# Altium PCB PCB1.PcbDoc (part 7 of 8)
Units mm, origin at the board's own origin, x right, y up, seen from the top; angles counter-clockwise.
Board outline 215 x 62.44 mm, 6 copper layers (Top Layer, Layer 1, Layer 2, Layer 3, Layer 4, Bottom Layer), stack 1.538 mm thick; 444 components, 475 nets, 1876 pads, 1257 vias.
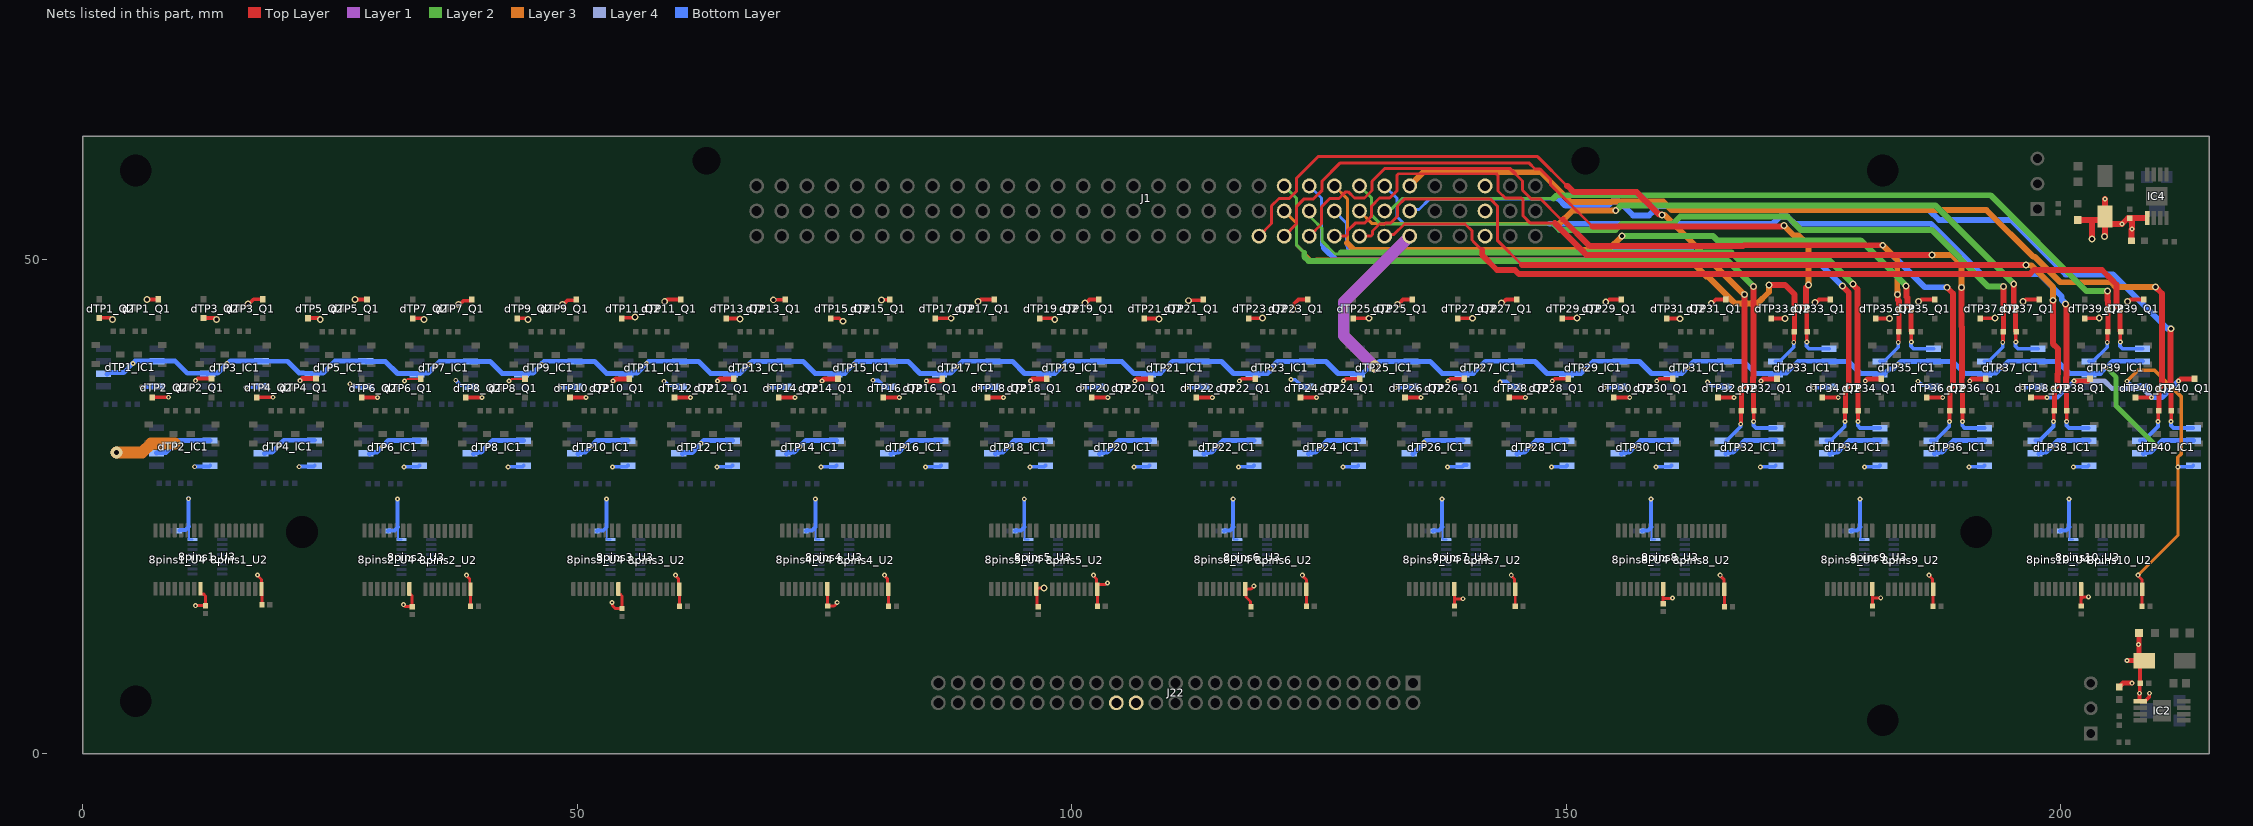
[diagram p11: the nets of this part, all layers, seen from the top]

## Via types
v1: diameter 0.5, hole 0.22, Top Layer to Bottom Layer, 884 vias
v2: diameter 0.5/0.5/0.5/0.5/0.5/0.5 (per signal layer), hole 0.22, Top Layer to Bottom Layer, tented both sides, 221 vias
v3: diameter 0.7, hole 0.4, Top Layer to Bottom Layer, 143 vias
v4: diameter 1.2, hole 0.5, Top Layer to Bottom Layer, 9 vias

## Nets (pads, with @x,y where several pads share a name; then routed paths per layer and width w, separated by ;. In a path a pad name is that pad's centre, name@x,y a point inside that pad or via, vN(x,y) a via of type N, cw(c..) or ccw(c..) an arc to the next point about the centre after c; other vN are vias at no path point) (continued)
TP_63_41: dTP32_IC1.3 dTP32_Q2.3 dTP32_R7.1 J1.C21 | length 75.3
  Top Layer w0.3: J1.C21@118.93,52.365 120.2,53.635 120.2,55.431 120.944,56.175 121.996,56.175 122.74,56.919 122.74,58.24 124.906,60.406 147.109,60.406 150.07,57.445
  Top Layer w0.38: v1(167.641,33.375) 167.66,33.393 167.66,34.672 dTP32_R7.1@167.679,34.69
  Top Layer w0.5: dTP32_R7.1@167.715,34.949 dTP32_Q2.3@167.715,37.015
  Top Layer w0.6: 150.07,57.445 150.126,57.445 150.75,56.82 157.124,56.82 159.406,54.539 159.67,54.539 v3(159.689,54.52) ; dTP32_Q2.3@167.717,36.99 168.031,37.305 168.031,38.233 168,38.264 v3(168,46.445)
  Layer 3 w0.6: v3(159.689,54.52) 159.708,54.501 159.944,54.501 v3(168,46.445)
  Bottom Layer w0.38: dTP32_IC1.3@166.202,31.7 166.228,31.7 167.618,33.09 167.618,33.352 v1(167.641,33.375)
TP_64_41: dTP32_IC1.5 dTP32_Q1.3 dTP32_R8.1 J1.A22 | length 71.2
  Top Layer w0.38: dTP32_R8.1@168.939,34.753 168.95,34.742 v1(168.95,33.638)
  Top Layer w0.5: dTP32_R8.1@168.939,34.753 dTP32_Q1.3@168.939,37.015
  Top Layer w0.6: 168.912,46.356 v3(168.912,47.288) ; 168.926,46.399 168.926,38.097 168.885,38.056 168.885,37.237 168.939,37.183 dTP32_Q1.3@168.939,37.015
  Layer 2 w0.3: J1.A22@121.47,57.445 122.7,56.215 122.7,51.485 123.5,50.685
  Layer 2 w0.6: 123.5,50.685 123.5,50.293 123.932,49.861 132.212,49.861 132.242,49.831 166.369,49.831 v3(168.912,47.288)
  Bottom Layer w0.38: v1(168.95,33.638) 168.927,33.615 168.927,33.215 169.172,32.97 dTP32_IC1.5@171.189,32.97
TP_65_41: dTP33_IC1.3 dTP33_Q2.3 dTP33_R7.1 J1.B22 | length 66.3
  Top Layer w0.38: v1(173.001,41.627) 173.024,41.65 173.024,42.7 dTP33_R7.1@173.051,42.727
  Top Layer w0.5: dTP33_R7.1@173.051,42.727 173.076,42.752 173.076,42.949 173.089,42.962 dTP33_Q2.3@173.089,45.027
  Top Layer w0.6: v3(170.5,47.445) 172.115,47.445 173.077,46.483 ; dTP33_Q2.3@173.089,45.027 173.089,46.436
  Layer 3 w0.3: J1.B22@121.47,54.905 122.74,53.635 122.74,51.445 124.39,49.795 124.638,49.795 124.74,49.897
  Layer 3 w0.6: 124.74,49.897 162.548,49.897 164.152,48.293 164.309,48.293 167.069,45.533 169.317,45.533 170.5,46.716 v3(170.5,47.445)
  Bottom Layer w0.38: dTP33_IC1.3@171.139,39.712 171.577,39.712 173.001,41.137 v1(173.001,41.627)
TP_66_41: dTP33_IC1.5 dTP33_Q1.3 dTP33_R8.1 J1.C22 | length 74.3
  Top Layer w0.3: J1.C22@121.47,52.365 122.7,53.595 122.7,55.334 123.501,56.135 124.439,56.135 125.32,57.015 125.32,57.954 127.149,59.783 146.214,59.783 146.838,59.16 147.361,59.16 148.384,58.137 148.384,57.614 152.645,53.352
  Top Layer w0.38: dTP33_R8.1@174.313,42.765 174.324,42.755 v1(174.324,41.65)
  Top Layer w0.5: dTP33_R8.1@174.313,42.765 dTP33_Q1.3@174.313,45.027
  Top Layer w0.6: 152.645,53.352 171.88,53.352 171.973,53.445 v3(172,53.445) ; dTP33_Q1.3@174.315,45.003 174.313,45.003 174.303,45.013 174.303,45.016 174.259,45.059 174.259,47.177 174.5,47.418 v3(174.5,47.445)
  Layer 3 w0.6: v3(172,53.445) 173.01,52.435 173.51,52.435 174.5,51.445 v3(174.5,47.445)
  Bottom Layer w0.38: v1(174.324,41.65) 174.301,41.627 174.301,41.227 174.546,40.982 dTP33_IC1.5@176.563,40.982
TP_67_41: dTP34_IC1.3 dTP34_Q2.3 dTP34_R7.1 J1.A23 | length 78
  Top Layer w0.38: v1(178.168,33.615) 178.191,33.638 178.191,34.688 dTP34_R7.1@178.218,34.715
  Top Layer w0.5: dTP34_R7.1@178.218,34.715 178.243,34.74 178.243,34.936 178.256,34.949 dTP34_Q2.3@178.256,37.015
  Top Layer w0.6: v3(177.929,47.313) 177.929,47.299 178.564,46.664 178.564,37.297 dTP34_Q2.3@178.258,36.99
  Bottom Layer w0.3: J1.A23@124.01,57.445 125.24,56.215 125.24,51.445 125.49,51.195
  Bottom Layer w0.38: dTP34_IC1.3@176.306,31.7 176.743,31.7 178.168,33.124 v1(178.168,33.615)
  Bottom Layer w0.6: 125.49,51.195 126.788,49.897 162.405,49.897 162.857,49.445 175.797,49.445 v3(177.929,47.313)
TP_68_41: dTP34_IC1.5 dTP34_Q1.3 dTP34_R8.1 J1.B23 | length 76.1
  Top Layer w0.38: dTP34_R8.1@179.48,34.753 179.491,34.742 v1(179.491,33.638)
  Top Layer w0.5: dTP34_R8.1@179.48,34.753 dTP34_Q1.3@179.48,37.015
  Top Layer w0.6: v3(178.979,47.541) 178.998,47.522 178.998,47.447 179.426,47.019 179.426,37.237 179.48,37.183 dTP34_Q1.3@179.48,37.015
  Layer 2 w0.3: J1.B23@124.01,54.905 124.24,54.675 124.24,54.205 125.32,53.125 125.32,51.855 126.611,50.565 127.081,50.565 127.231,50.715
  Layer 2 w0.6: 127.231,50.715 166.692,50.715 167.462,49.945 176.575,49.945 v3(178.979,47.541)
  Bottom Layer w0.38: v1(179.491,33.638) 179.468,33.615 179.468,33.215 179.713,32.97 dTP34_IC1.5@181.73,32.97
TP_69_41: dTP35_IC1.3 dTP35_Q2.3 dTP35_R7.1 J1.C23 | length 80.3
  Top Layer w0.3: J1.C23@124.01,52.365 125.24,53.595 125.24,55.334 126.081,56.175 127.019,56.175 127.696,56.851 127.944,56.851 128.581,56.215 129.599,56.215 130.36,56.975 130.36,57.914 131.674,59.229 144.285,59.229 145.56,57.954 145.56,57.015 146.441,56.135 147.379,56.135 149.469,54.045 149.669,54.045
  Top Layer w0.38: v1(183.568,41.627) 183.591,41.65 183.591,42.7 dTP35_R7.1@183.618,42.727
  Top Layer w0.5: dTP35_R7.1@183.618,42.727 183.643,42.752 183.643,42.949 183.656,42.962 183.656,45.005 dTP35_Q2.3@183.656,45.027
  Top Layer w0.6: 149.669,54.045 152.365,51.349 167.871,51.349 167.967,51.445 v3(182,51.445) ; v3(183.5,46.445) 183.519,46.426 183.519,45.918 183.656,45.781 dTP35_Q2.3@183.656,45.027 ; dTP35_Q2.3@183.656,45.005 dTP35_Q2.3@183.658,45.003
  Layer 3 w0.6: v3(182,51.445) 183.467,49.978 183.467,46.962 183.481,46.948 183.481,46.464 v3(183.5,46.445)
  Bottom Layer w0.38: dTP35_IC1.3@181.706,39.712 182.143,39.712 183.568,41.137 v1(183.568,41.627)
TP_70_41: dTP35_IC1.5 dTP35_Q1.3 dTP35_R8.1 J1.A24 | length 74.5
  Top Layer w0.38: dTP35_R8.1@184.88,42.765 184.891,42.755 v1(184.891,41.65)
  Top Layer w0.5: dTP35_R8.1@184.88,42.765 dTP35_Q1.3@184.88,45.027
  Top Layer w0.6: v3@184.371,47.309 184.39,47.29 184.39,46.833 184.404,46.819 184.404,46.24 184.51,46.135 184.51,45.397 dTP35_Q1.3@184.88,45.027
  Layer 2 w0.6: v3(155.628,52.371) 164.851,52.371 165.277,51.945 179.762,51.945 v3(184.371,47.336)
  Layer 3 w0.3: J1.A24@126.55,57.445 127.86,56.135 127.86,51.723 127.82,51.683
  Layer 3 w0.6: 127.82,51.683 128.518,50.985 154.242,50.985 v3(155.628,52.371)
  Bottom Layer w0.38: v1(184.891,41.65) 184.868,41.627 184.868,41.227 185.113,40.982 dTP35_IC1.5@187.13,40.982
TP_71_41: dTP36_IC1.3 dTP36_Q2.3 dTP36_R7.1 J1.B24 | length 83.4
  Top Layer w0.38: v1(188.734,33.615) 188.757,33.638 188.757,34.688 dTP36_R7.1@188.784,34.715
  Top Layer w0.5: dTP36_R7.1@188.784,34.715 188.809,34.74 188.809,34.936 188.822,34.949 dTP36_Q2.3@188.822,37.015
  Top Layer w0.6: v3(188.5,47.195) 188.5,47.168 189.105,46.563 189.105,37.271 dTP36_Q2.3@188.824,36.99
  Layer 2 w0.6: v3@188.499,47.195 v3(188.5,47.195)
  Bottom Layer w0.3: J1.B24@126.55,54.905 127.78,53.675 127.78,51.405 128.01,51.175
  Bottom Layer w0.38: dTP36_IC1.3@186.872,31.7 187.31,31.7 188.734,33.124 v1(188.734,33.615)
  Bottom Layer w0.6: 128.01,51.175 128.434,50.751 162.759,50.751 163.064,50.445 183,50.445 186.25,47.195 v3(188.5,47.195)
TP_72_41: dTP36_IC1.5 dTP36_Q1.3 dTP36_R8.1 J1.C24 | length 92.2
  Top Layer w0.3: J1.C24@126.55,52.365 127.684,52.365 127.86,52.541 127.86,52.874 128.661,53.675 129.599,53.675 130.32,54.395 130.32,55.414 131.121,56.215 132.139,56.215 132.86,56.935 132.86,58.499 133.036,58.675 142.924,58.675 143.1,58.499 143.1,56.935 143.821,56.215 145.464,56.215 145.64,56.039 145.64,54.395 146.361,53.675 148.832,53.675
  Top Layer w0.38: dTP36_R8.1@190.046,34.753 190.057,34.742 v1(190.057,33.638)
  Top Layer w0.5: dTP36_R8.1@190.046,34.753 dTP36_Q1.3@190.046,37.015
  Top Layer w0.6: 148.832,53.675 152.062,50.445 v3(187,50.445) ; v3@189.959,47.236 189.959,43.236 190.034,43.161 190.034,38.097 189.992,38.056 189.992,37.237 190.046,37.183 dTP36_Q1.3@190.046,37.015
  Layer 3 w0.6: v3(187,50.445) 189,50.445 189.95,49.495 v3(189.95,47.163)
  Bottom Layer w0.38: v1(190.057,33.638) 190.034,33.615 190.034,33.215 190.279,32.97 dTP36_IC1.5@192.296,32.97
TP_73_41: dTP37_IC1.3 dTP37_Q2.3 dTP37_R7.1 J1.A25 | length 80.2
  Top Layer w0.38: v1(194.134,41.627) 194.157,41.65 194.157,42.7 dTP37_R7.1@194.184,42.727
  Top Layer w0.5: dTP37_R7.1@194.184,42.727 194.209,42.752 194.209,42.949 194.222,42.962 dTP37_Q2.3@194.222,45.027
  Top Layer w0.6: 194.21,46.33 v3(194.21,47.262) ; dTP37_Q2.3@194.222,45.027 194.222,46.436
  Layer 2 w0.3: J1.A25@129.09,57.445 130.317,56.218 130.317,55.418 130.32,55.414 130.32,54.475 131.187,53.608 148.711,53.608
  Layer 2 w0.6: 148.711,53.608 149.319,53 154.979,53 155.595,53.616 160.788,53.616 161.521,54.349 172.374,54.349 173.723,53 186.945,53 192.683,47.262 v3(194.21,47.262)
  Bottom Layer w0.38: dTP37_IC1.3@192.272,39.712 192.71,39.712 194.134,41.137 v1(194.134,41.627)
TP_74_41: dTP37_IC1.5 dTP37_Q1.3 dTP37_R8.1 J1.B25 | length 79.5
  Top Layer w0.38: dTP37_R8.1@195.446,42.765 195.457,42.755 v1(195.457,41.65)
  Top Layer w0.5: dTP37_R8.1@195.446,42.765 dTP37_Q1.3@195.446,45.027
  Top Layer w0.6: v3(195.248,47.541) 195.248,45.225 dTP37_Q1.3@195.446,45.027
  Layer 2 w0.6: v3(155,54.945) 155.5,55.445 187.344,55.445 v3(195.248,47.541)
  Layer 3 w0.3: J1.B25@129.09,54.905 130.37,53.625 149.3,53.625
  Layer 3 w0.6: 149.3,53.625 150.621,54.945 v3(155,54.945) ; v3@195.229,47.541 v3(195.248,47.541)
  Bottom Layer w0.38: v1(195.457,41.65) 195.434,41.627 195.434,41.227 195.679,40.982 dTP37_IC1.5@197.696,40.982
TP_75_41: dTP38_IC1.3 dTP38_Q2.3 dTP38_R7.1 J1.C25 | length 95.2
  Top Layer w0.3: J1.C25@129.09,52.365 130.224,52.365 130.4,52.541 130.4,52.874 131.121,53.595 131.65,53.595 131.73,53.675 132.23,53.675 132.94,54.385 132.94,55.414 133.661,56.135 141.281,56.135 ; 141.281,56.135 142.299,56.135 143.06,55.374 143.06,51.895 145.511,49.445
  Top Layer w0.38: v1(199.275,33.615) 199.298,33.638 199.298,34.688 dTP38_R7.1@199.325,34.715
  Top Layer w0.5: dTP38_R7.1@199.325,34.715 199.35,34.74 199.35,34.936 199.363,34.949 dTP38_Q2.3@199.363,37.015
  Top Layer w0.6: 145.511,49.445 v3(196.5,49.445) ; v3(199.2,45.882) 199.2,41.495 199.721,40.974 199.721,38.451 199.679,38.41 199.679,37.305 dTP38_Q2.3@199.365,36.99
  Layer 3 w0.6: v3(196.5,49.445) 196.519,49.426 197.019,49.426 199.2,47.245 v3(199.2,45.882)
  Bottom Layer w0.38: dTP38_IC1.3@197.413,31.7 197.851,31.7 199.275,33.124 v1(199.275,33.615)
TP_76_41: dTP38_IC1.5 dTP38_Q1.3 dTP38_R8.1 J1.A26 | length 90.5
  Top Layer w0.38: dTP38_R8.1@200.587,34.753 200.598,34.742 v1(200.598,33.638)
  Top Layer w0.5: dTP38_R8.1@200.587,34.753 dTP38_Q1.3@200.587,37.015
  Top Layer w0.6: v3(200.5,45.5) 200.5,45.473 200.575,45.398 200.575,38.097 200.533,38.056 200.533,37.237 200.587,37.183 dTP38_Q1.3@200.587,37.015
  Bottom Layer w0.3: J1.A26@131.63,57.445 132.86,56.215 132.86,54.355 133.599,53.616 148.319,53.616
  Bottom Layer w0.38: v1(200.598,33.638) 200.575,33.615 200.575,33.215 200.82,32.97 dTP38_IC1.5@202.837,32.97
  Bottom Layer w0.6: 148.319,53.616 170.893,53.616 171.626,54.349 172.374,54.349 173.107,53.616 186.884,53.616 191.959,48.541 197.819,48.541 200.104,46.256 200.104,45.923 200.5,45.527 v3(200.5,45.5)
TP_77_41: dTP39_IC1.3 dTP39_Q2.3 dTP39_R7.1 J1.B26 | length 85.9
  Top Layer w0.38: v1(204.701,41.627) 204.724,41.65 204.724,42.7 dTP39_R7.1@204.751,42.727
  Top Layer w0.5: dTP39_R7.1@204.751,42.727 204.776,42.752 204.776,42.949 204.789,42.962 dTP39_Q2.3@204.789,45.027
  Top Layer w0.6: v3(204.713,46.797) 204.732,46.778 204.732,45.837 204.789,45.781 dTP39_Q2.3@204.789,45.027
  Layer 2 w0.3: J1.B26@131.63,54.905 131.86,55.134 132.361,55.134 133.376,56.149 148.689,56.149
  Layer 2 w0.6: 148.689,56.149 149.04,56.5 192.907,56.5 202.609,46.797 v3(204.713,46.797)
  Bottom Layer w0.38: dTP39_IC1.3@202.839,39.712 203.276,39.712 204.701,41.137 v1(204.701,41.627)
TP_78_41: dTP39_IC1.5 dTP39_Q1.3 dTP39_R8.1 J1.C26 | length 87
  Top Layer w0.3: J1.C26@131.63,52.365 131.795,52.529 132.562,52.529 133.628,53.595 139.759,53.595 140.48,52.874 140.48,51.965 140.56,51.885 140.56,51.855 141.281,51.135 141.31,51.135 141.5,50.945
  Top Layer w0.38: dTP39_R8.1@206.013,42.765 206.024,42.755 v1(206.024,41.65)
  Top Layer w0.5: dTP39_R8.1@206.013,42.765 206.013,45.003 dTP39_Q1.3@206.013,45.027
  Top Layer w0.6: 141.5,50.945 141.5,50.445 143,48.945 144.803,48.945 145.207,48.541 196.874,48.541 197.278,48.945 204.169,48.945 205.169,47.945 205.173,47.945 205.645,47.473 205.645,46.724 205.643,46.722 205.643,45.377 205.643,45.372 dTP39_Q1.3@206.012,45.003 ; dTP39_Q1.3@206.013,45.003 dTP39_Q1.3@206.014,45.003
  Bottom Layer w0.38: v1(206.024,41.65) 206.001,41.627 206.001,41.227 206.246,40.982 dTP39_IC1.5@208.263,40.982
TP_79_41: dTP40_IC1.3 dTP40_Q2.3 dTP40_R7.1 J1.A27 | length 97.8
  Top Layer w0.38: v1(209.842,33.615) 209.865,33.638 209.865,34.688 dTP40_R7.1@209.892,34.715
  Top Layer w0.5: dTP40_R7.1@209.892,34.715 209.917,34.74 209.917,34.936 209.93,34.949 dTP40_Q2.3@209.93,37.015
  Top Layer w0.6: v3(209.602,47.211) 209.602,47.198 210.237,46.563 210.237,37.297 dTP40_Q2.3@209.931,36.99
  Layer 3 w0.6: J1.A27@134.17,57.445 135.55,58.825 147.442,58.825 150.468,55.799 154.576,55.799 154.626,55.849 159.804,55.849 160.653,55 192.5,55 197.22,50.28 197.373,50.28 199.951,47.701 205.087,47.701 205.577,47.211 v3(209.602,47.211)
  Bottom Layer w0.38: dTP40_IC1.3@207.98,31.7 208.417,31.7 209.842,33.124 v1(209.842,33.615)
TP_80_41: dTP40_IC1.5 dTP40_Q1.3 dTP40_R8.1 J1.B27 | length 96.2
  Top Layer w0.38: dTP40_R8.1@211.154,34.753 211.165,34.742 v1(211.165,33.638)
  Top Layer w0.5: dTP40_R8.1@211.154,34.753 dTP40_Q1.3@211.154,37.015
  Top Layer w0.6: v3(211.141,43) 211.141,42.973 211.1,42.931 211.1,37.237 211.154,37.183 dTP40_Q1.3@211.154,37.015
  Bottom Layer w0.3: J1.B27@134.17,54.905 134.318,55.053 135.119,55.053 136.201,56.135 147.379,56.135 147.396,56.118 149.227,56.118
  Bottom Layer w0.38: v1(211.165,33.638) 211.142,33.615 211.142,33.215 211.387,32.97 dTP40_IC1.5@213.404,32.97
  Bottom Layer w0.6: 149.227,56.118 149.9,55.445 154.222,55.445 154.626,55.849 155.374,55.849 156.753,54.47 158.36,54.47 158.785,54.894 159.314,55.424 172.507,55.424 172.931,55 186.708,55 187.708,54 195,54 200.5,48.5 205.288,48.5 210.769,43.019 211.122,43.019 v3(211.141,43)
Vcomp: 8pins1_C18.1 8pins1_C19.1 8pins1_C20.2 8pins1_U2.16 8pins1_U3.16 8pins1_U4.16 8pins2_C18.1 8pins2_C19.1 8pins2_C20.2 8pins2_U2.16 8pins2_U3.16 8pins2_U4.16 8pins3_C18.1 8pins3_C19.1 8pins3_C20.2 8pins3_U2.16 8pins3_U3.16 8pins3_U4.16 8pins4_C18.1 8pins4_C19.1 8pins4_C20.2 8pins4_U2.16 8pins4_U3.16 8pins4_U4.16 8pins5_C18.1 8pins5_C19.1 8pins5_C20.2 8pins5_U2.16 8pins5_U3.16 8pins5_U4.16 8pins6_C18.1 8pins6_C19.1 8pins6_C20.2 8pins6_U2.16 8pins6_U3.16 8pins6_U4.16 8pins7_C18.1 8pins7_C19.1 8pins7_C20.2 8pins7_U2.16 8pins7_U3.16 8pins7_U4.16 8pins8_C18.1 8pins8_C19.1 8pins8_C20.2 8pins8_U2.16 8pins8_U3.16 8pins8_U4.16 8pins9_C18.1 8pins9_C19.1 8pins9_C20.2 8pins9_U2.16 8pins9_U3.16 8pins9_U4.16 8pins10_C18.1 8pins10_C19.1 8pins10_C20.2 8pins10_U2.16 8pins10_U3.16 8pins10_U4.16 C21.2 D1.2 D11.2 dTP1_IC1.8 dTP2_IC1.8 dTP3_IC1.8 dTP4_IC1.8 dTP5_IC1.8 dTP6_IC1.8 dTP7_IC1.8 dTP8_IC1.8 dTP9_IC1.8 dTP10_IC1.8 dTP11_IC1.8 dTP12_IC1.8 dTP13_IC1.8 dTP14_IC1.8 dTP15_IC1.8 dTP16_IC1.8 dTP17_IC1.8 dTP18_IC1.8 dTP19_IC1.8 dTP20_IC1.8 dTP21_IC1.8 dTP22_IC1.8 dTP23_IC1.8 dTP24_IC1.8 dTP25_IC1.8 dTP26_IC1.8 dTP27_IC1.8 dTP28_IC1.8 dTP29_IC1.8 dTP30_IC1.8 dTP31_IC1.8 dTP32_IC1.8 dTP33_IC1.8 dTP34_IC1.8 dTP35_IC1.8 dTP36_IC1.8 dTP37_IC1.8 dTP38_IC1.8 dTP39_IC1.8 dTP40_IC1.8 IC2.1 R9.1 | length 224.5
  Top Layer w0.3: v1(11.4,14.995) 8pins1_C19.1@12.4,14.995 12.4,15.986 12.224,16.162 11.963,16.162 11.888,16.237 8pins1_U4.16@11.888,16.712 ; v1(17.657,18.102) 17.657,18.047 18.06,17.645 8pins1_U2.16@18.06,16.683 18.1,16.643 8pins1_C18.1@18.1,15.095 ; v1(32.402,15.095) 32.602,14.895 8pins2_C19.1@33.3,14.895 ; 8pins2_U4.16@33.022,16.692 33.022,16.217 33.097,16.142 33.124,16.142 33.3,15.966 8pins2_C19.1@33.3,14.905 ; v1(38.791,18.082) 38.791,18.028 39.118,17.7 39.118,16.738 8pins2_U2.16@39.193,16.663 39.196,16.661 39.196,14.942 8pins2_C18.1@39.198,14.94 ; v1(53.511,15.304) 53.549,15.266 53.549,15 53.854,14.695 8pins3_C19.1@54.5,14.695 54.5,15.966 54.324,16.142 54.226,16.142 54.151,16.217 8pins3_U4.16@54.151,16.692 ; v1(59.92,18.082) 59.92,18.028 60.247,17.7 60.247,16.738 8pins3_U2.16@60.322,16.663 60.325,16.661 60.325,14.942 8pins3_C18.1@60.327,14.94 ; 8pins4_U4.16@75.28,16.692 75.298,16.674 75.298,14.983 8pins4_C19.1@75.315,14.965 75.97,14.965 76.272,15.267 v1(76.272,15.304) ; v1(81.048,18.082) 81.048,18.028 81.376,17.7 81.376,16.738 8pins4_U2.16@81.451,16.663 81.454,16.661 81.454,14.942 8pins4_C18.1@81.456,14.94 ; 8pins5_C19.1@96.6,14.895 96.49,15.005 96.49,15.605 96.484,15.611 96.484,16.617 8pins5_U4.16@96.409,16.692 96.409,16.709 96.484,16.784 v3(97.201,16.784) ; v1(102.177,18.082) 102.177,18.028 102.505,17.7 8pins5_U2.16@102.505,17.141 ; 8pins5_U2.16@102.58,16.663 102.583,16.661 102.583,15.68 ; 8pins5_U2.16@102.583,17.141 103.392,17.141 103.546,17.295 v1(103.6,17.295) ; 8pins5_C18.1@102.585,14.94 102.585,15.68 ; 8pins6_C19.1@118.1,14.895 118.072,14.923 118.072,15.423 117.613,15.882 117.613,16.617 8pins6_U4.16@117.538,16.692 118.132,16.692 118.4,16.96 v1(118.4,16.995) ; v1(123.306,18.082) 123.306,18.028 123.724,17.61 123.724,16.678 8pins6_U2.16@123.709,16.663 123.712,16.661 123.712,14.942 8pins6_C18.1@123.714,14.94 ; 8pins7_U4.16@138.667,16.692 138.684,16.674 138.684,15.686 ; 8pins7_C19.1@138.702,14.965 138.684,14.983 138.684,15.686 ; v1(139.558,15.701) 139.543,15.686 138.684,15.686 ; v1(144.435,18.082) 144.435,18.028 144.763,17.7 144.763,16.738 8pins7_U2.16@144.838,16.663 144.84,16.661 8pins7_C18.1@144.84,14.942 8pins7_C18.1@144.843,14.94 ; 8pins8_U4.16@159.796,16.692 159.798,16.69 159.798,15.747 ; 8pins8_C19.1@159.8,15.195 159.798,15.197 159.798,15.747 ; v1(160.737,15.766) 160.718,15.747 159.798,15.747 ; v1(165.564,18.082) 165.564,18.028 165.967,17.625 8pins8_U2.16@165.967,16.663 165.984,16.647 165.984,14.911 8pins8_C18.1@166,14.895 ; 8pins9_U4.16@180.925,16.692 180.942,16.674 180.942,15.829 ; 8pins9_C19.1@180.96,14.965 180.942,14.983 180.942,15.829 ; v1(181.8,15.795) 180.976,15.795 180.942,15.829 ; v1(186.693,18.082) 186.693,18.028 187.021,17.7 187.021,16.738 8pins9_U2.16@187.096,16.663 187.098,16.661 8pins9_C18.1@187.098,14.942 8pins9_C18.1@187.101,14.94 ; 8pins10_U4.16@202.054,16.692 202.071,16.674 202.071,15.666 ; 8pins10_C19.1@202.071,15.175 202.071,15.666 ; 8pins10_C19.1@202.08,14.974 8pins10_C19.1@202.08,15.175 ; v1(202.8,15.895) 202.3,15.895 202.071,15.666 ; v1(207.822,18.082) 207.822,18.028 208.225,17.625 8pins10_U2.16@208.225,16.663 208.227,16.661 208.227,15.597 208.23,15.595 ; 8pins10_C18.1@208.23,14.94 8pins10_U2.16@208.23,16.049
  Top Layer w0.381: D11.2@208.097,9.445 208.018,9.365 R9.1@208.018,7.159 207.983,7.124 207.983,6.166 v1(207.96,6.143) 207.96,5.374 207.995,5.34 IC2.1@208.046,5.34 208.521,5.34 208.953,5.772 208.953,6.12 v1(208.976,6.143)
  Top Layer w0.5: C21.2@205.928,6.793 205.928,6.818 206.003,6.893 206.028,6.893 206.294,7.159 v1(207.198,7.159) ; v1(206.69,9.445) D11.2@208.097,9.445 ; D11.2@207.897,9.642 D1.2@207.897,12.239
  Layer 3 w0.3: v1(207.822,18.082) 211.836,22.096 v1(211.836,29.02)
  Layer 3 w0.381: v1(206.695,37.695) 207.795,38.795 209.5,38.795 212.195,36.099 212.195,30.361 211.836,30.002 v1(211.836,29.02)
  Bottom Layer w0.2: 10.709,22.996 10.709,21.738 10.759,21.688 8pins1_U3.16@11.084,21.688 ; 31.842,22.976 31.842,21.718 31.892,21.668 8pins2_U3.16@32.218,21.668 ; 52.971,22.976 52.971,21.718 53.021,21.668 8pins3_U3.16@53.347,21.668 ; 74.1,22.976 74.1,21.718 74.15,21.668 8pins4_U3.16@74.476,21.668 ; 95.229,22.976 95.229,21.718 95.279,21.668 8pins5_U3.16@95.605,21.668 ; 116.358,22.976 116.358,21.718 116.408,21.668 8pins6_U3.16@116.734,21.668 ; 137.487,22.976 137.487,21.718 137.537,21.668 8pins7_U3.16@137.863,21.668 ; 158.616,22.976 158.616,21.718 158.666,21.668 8pins8_U3.16@158.992,21.668 ; 179.745,22.976 179.745,21.718 179.795,21.668 8pins9_U3.16@180.121,21.668 ; 200.874,22.976 200.874,21.718 200.924,21.668 8pins10_U3.16@201.25,21.668
  Bottom Layer w0.381: v1(5.926,37.089) 5.949,37.112 7.4,37.112 dTP1_IC1.8@7.494,37.206 ; v1(11.302,29.045) 11.325,29.068 12.752,29.068 dTP2_IC1.8@12.869,29.185 ; v1(16.475,37.058) 16.497,37.081 17.925,37.081 dTP3_IC1.8@18.042,37.198 ; v1(21.868,29.045) 21.891,29.068 23.319,29.068 dTP4_IC1.8@23.436,29.185 ; v1(26.993,37.432) 27.006,37.432 27.294,37.144 dTP5_IC1.8@28.636,37.144 ; v1(32.461,29.02) 32.484,29.043 33.912,29.043 dTP6_IC1.8@34.029,29.16 ; v1@37.723,37.772 38.212,37.283 39.09,37.283 dTP7_IC1.8@39.2,37.172 ; v1(43.002,29.02) 43.025,29.043 44.453,29.043 dTP8_IC1.8@44.57,29.16 ; v1(48.199,37.033) 48.222,37.055 49.65,37.055 dTP9_IC1.8@49.767,37.172 ; v1(53.543,29.02) 53.566,29.043 54.994,29.043 dTP10_IC1.8@55.111,29.16 ; v1(58.766,37.695) 58.798,37.695 59.21,37.283 60.223,37.283 dTP11_IC1.8@60.333,37.172 ; v1(64.11,29.02) 64.133,29.043 65.56,29.043 dTP12_IC1.8@65.677,29.16 ; v1(69.332,37.033) 69.355,37.055 70.783,37.055 dTP13_IC1.8@70.899,37.172 ; v1(74.651,29.02) 74.674,29.043 76.101,29.043 dTP14_IC1.8@76.218,29.16 ; v1(79.9,37.795) 79.923,37.772 80.406,37.772 81.006,37.172 dTP15_IC1.8@81.466,37.172 ; v1(85.217,29.02) 85.24,29.043 86.668,29.043 dTP16_IC1.8@86.785,29.16 ; v1(90.465,37.033) 90.488,37.055 91.915,37.055 dTP17_IC1.8@92.032,37.172 ; v1(95.758,29.02) 95.781,29.043 97.209,29.043 dTP18_IC1.8@97.326,29.16 ; v1(101.031,37.033) 101.054,37.055 102.482,37.055 dTP19_IC1.8@102.599,37.172 ; v1(106.299,29.02) 106.322,29.043 107.75,29.043 dTP20_IC1.8@107.867,29.16 ; v1(111.598,37.033) 111.62,37.055 113.048,37.055 dTP21_IC1.8@113.165,37.172 ; v1(116.866,29.02) 116.888,29.043 118.316,29.043 dTP22_IC1.8@118.433,29.16 ; v1(122.164,37.873) 122.187,37.85 122.594,37.85 123.271,37.172 dTP23_IC1.8@123.731,37.172 ; v1(127.407,29.02) 127.429,29.043 128.857,29.043 dTP24_IC1.8@128.974,29.16 ; v1(132.73,37.033) 132.753,37.055 134.181,37.055 dTP25_IC1.8@134.298,37.172 ; v1(137.973,29.02) 137.996,29.043 139.449,29.043 dTP26_IC1.8@139.542,29.135 139.629,29.222 dTP26_IC1.8@139.944,29.222 ; v1(143.297,37.595) 143.329,37.595 143.406,37.672 143.905,37.672 144.294,37.283 144.754,37.283 dTP27_IC1.8@144.864,37.172 ; v1(148.514,29.02) 148.537,29.043 149.964,29.043 dTP28_IC1.8@150.081,29.16 ; v1(153.863,37.033) 153.886,37.055 155.314,37.055 dTP29_IC1.8@155.431,37.172 ; v1(159.08,29.02) 159.103,29.043 160.531,29.043 dTP30_IC1.8@160.648,29.16 ; v1(164.294,37.595) 164.327,37.595 164.665,37.257 165.913,37.257 dTP31_IC1.8@165.997,37.172 ; v1(169.621,29.02) 169.644,29.043 171.072,29.043 dTP32_IC1.8@171.189,29.16 ; v1(174.996,37.033) 175.019,37.055 176.447,37.055 dTP33_IC1.8@176.563,37.172 ; v1(180.162,29.02) 180.185,29.043 181.613,29.043 dTP34_IC1.8@181.73,29.16 ; v1(185.562,37.695) 185.595,37.695 186.007,37.283 187.02,37.283 dTP35_IC1.8@187.13,37.172 ; v1(190.729,29.02) 190.752,29.043 192.179,29.043 dTP36_IC1.8@192.296,29.16 ; v1(196.129,37.033) 196.152,37.055 197.579,37.055 dTP37_IC1.8@197.696,37.172 ; v1(201.27,29.02) 201.293,29.043 202.72,29.043 dTP38_IC1.8@202.837,29.16 ; v1(206.695,37.695) 206.727,37.695 207.139,37.283 208.152,37.283 dTP39_IC1.8@208.263,37.172 ; v1(211.836,29.02) 211.859,29.043 213.287,29.043 dTP40_IC1.8@213.404,29.16